# Altium PCB pixracer_pcb_layout_v2.PcbDoc (part 2 of 3)
Units mm, origin at the board's own origin, x right, y up, seen from the top; angles counter-clockwise.
Board outline 44.45 x 44.45 mm, 4 copper layers (Top Layer, Mid Layer 1, Mid Layer 2, Bottom Layer), stack 0.603 mm thick; 139 components, 139 nets, 560 pads, 204 vias.
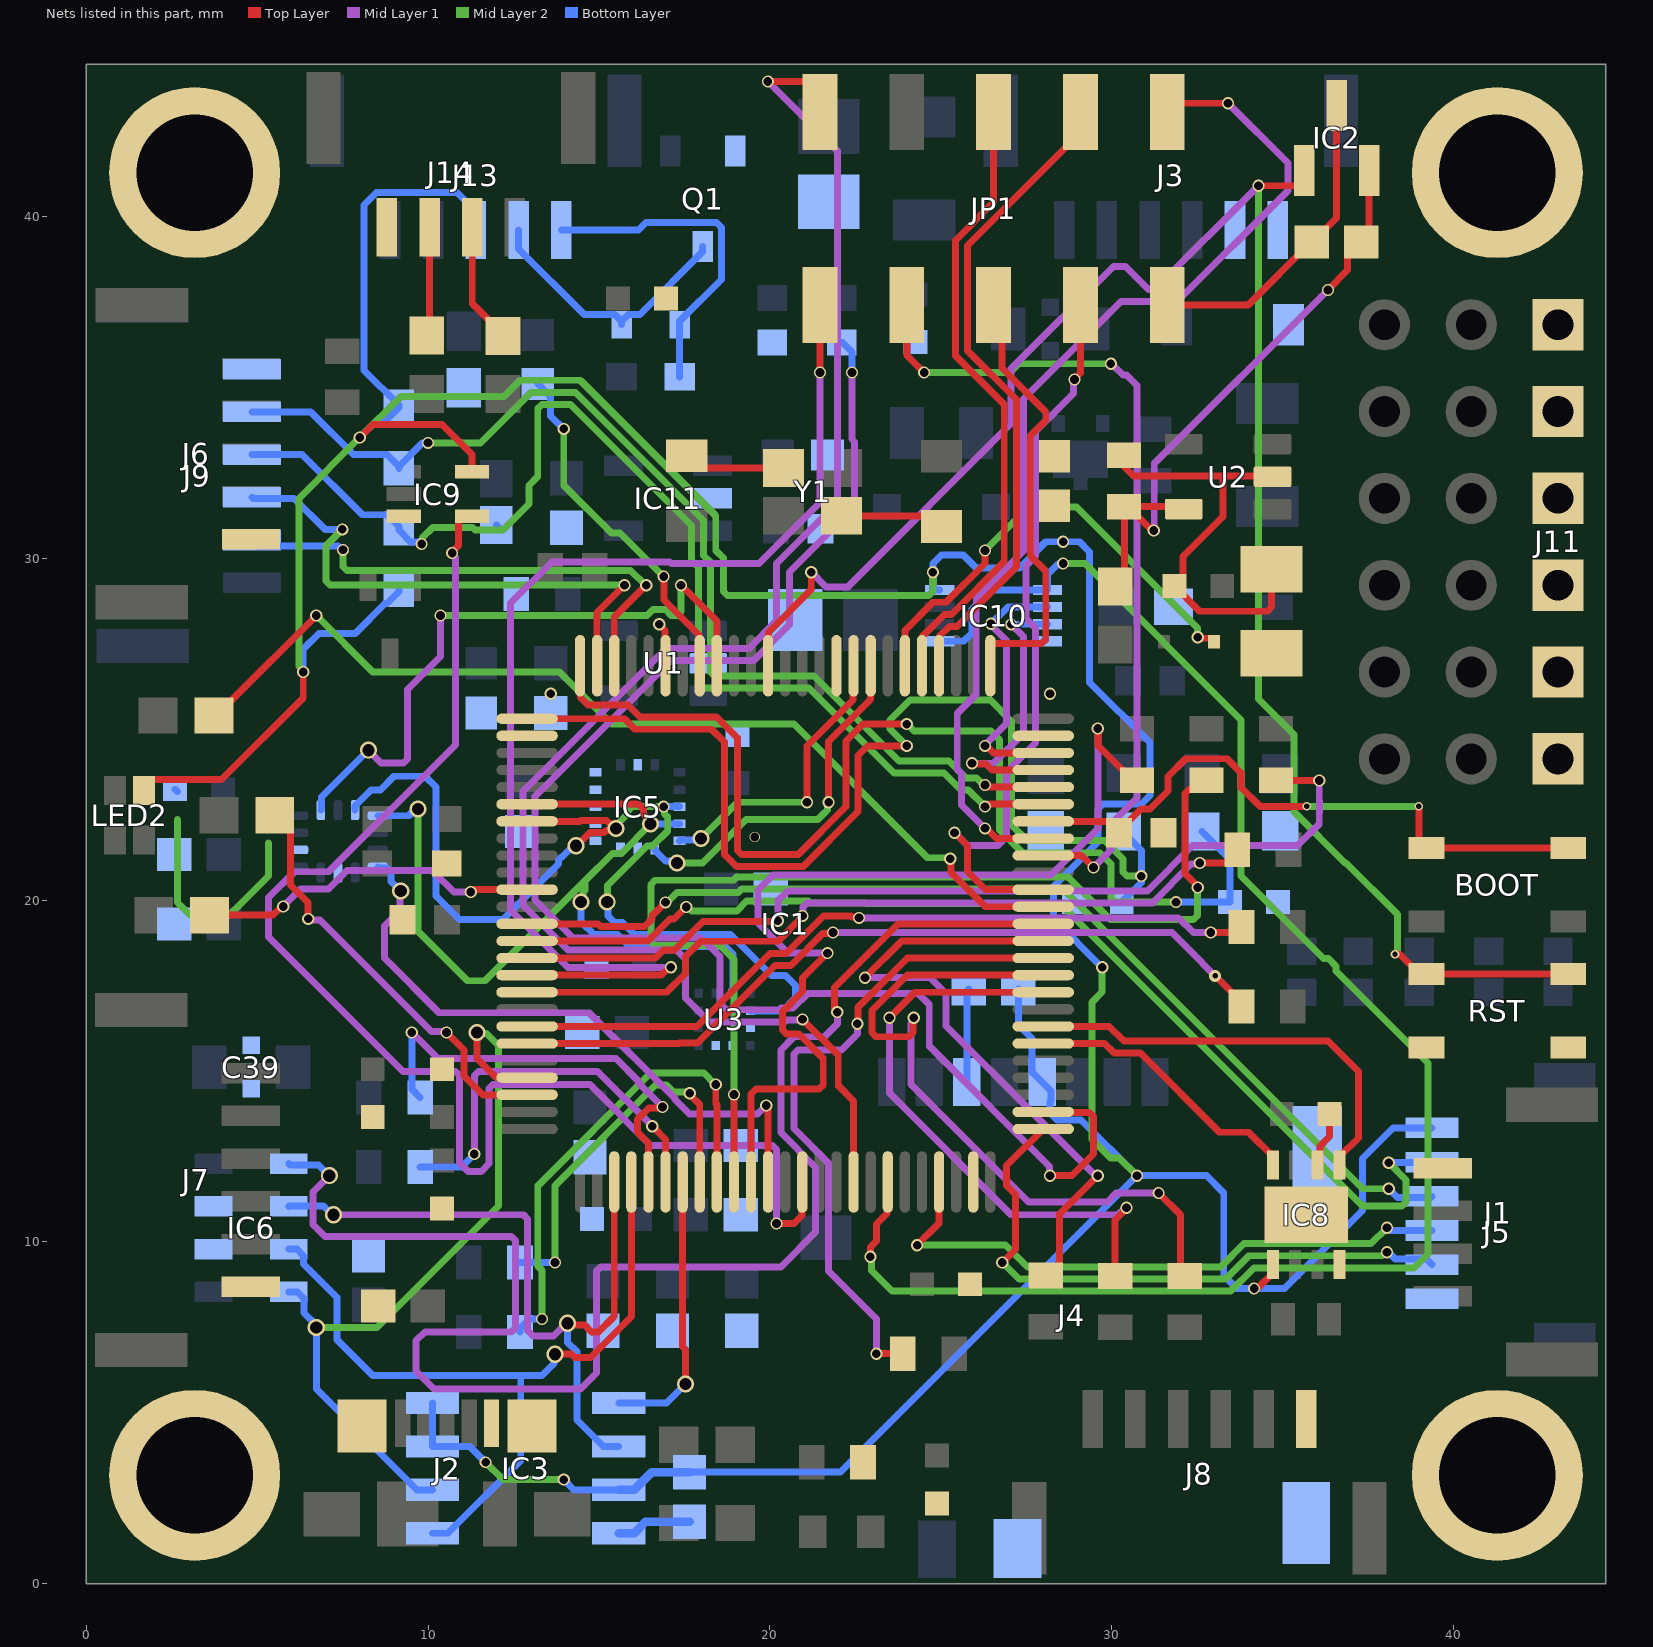
[diagram p4: the nets of this part, all layers, seen from the top]

## Part data (continued)
R10 R11: library part CMP-02407-009732-1, "RES Thick Film, 1MΩ, 5%, 0.33W, 200ppm/°C, 0603", Case Code (Imperial)=0603, Case Code (Metric)=1608, Max Operating Temperature=155°C, Max Power Dissipation=250mW, Min Operating Temperature=-55°C, Package Quantity=1, Resistance=1MR, Temperature Coefficient=200ppm/°C, Tolerance=5%, Voltage Rating=75V, Case/Package=0603, Composition="Thick Film", Contact Plating=Tin, Features="Automotive AEC-Q200", Height=0.022inch, Lead Free="Lead Free", Length=0.063inch, Number of Terminations=2, Packaging="Tape and Reel", Power Rating=250mW, Radiation Hardening=No, Termination=SMD/SMT, Weight=7.1E-05oz, Width=0.8mm
R14 R15 R16 R17 R18: library part CMP-26527-000115-1, "100kΩ ±5% 0.1W 0603 Thick Film Chip Resistor AEC-Q200 compliant", Case Code (Imperial)=0603, Case Code (Metric)=1608, Max Operating Temperature=155°C, Max Power Dissipation=100mW, Min Operating Temperature=-55°C, Resistance=100kR, Resistor Type="Thick Film", Temperature Coefficient=100ppm/°C, Tolerance=5%, Case/Package=0603, Construction=Rectangular, Contact Plating=Tin, Depth=0.8mm, Features="Automotive AEC-Q200", Height=0.022inch, Lead Free="Lead Free", Length=1.55mm, Military Standard=Not, Mount="Surface Mount", Number of Terminations=2, Packaging="Tape and Reel", Power Rating=100mW, Radiation Hardening=No, RoHS Compliant=Yes, Series=RMCF, Width=0.031inch
R19: library part CMP-02407-011907-1, "RES SMD 100 OHM 1% 1/8W 0603", Case/Package=0603, Max Operating Temperature=125°C, Max Power Dissipation=100mW, Min Operating Temperature=-55°C, Resistance=120R, Resistor Type="Thin Film", Temperature Coefficient=25ppm/°C, Tolerance=0.1%, Construction=Rectangular, Contact Plating=Tin, Depth=0.85mm, Features=Anti-Sulfur, Height=0.45mm, Lead Free="Lead Free", Length=1.55mm, Military Standard=Not, Mount="Surface Mount", Number of Terminations=2, Packaging="Tape and Reel", Power Rating=100mW, Radiation Hardening=No, RoHS Compliant=Yes, Series="MCT - Precision", Size Code=0603, Technology="THIN FILM", Width=850um
R32 R33: library part CMP-03211-005433-1, "RES SMD 1.5KΩ 0.1% 1/16W 0603", Manufacturer="TE Connectivity", Package=CPF0603, Power Rating=0.063W, Resistance=1.5KΩ, Temperature="-55°C to +155°C", Temperature Coefficient=25ppm/°C, Temperature Range High=+155°C, Temperature Range Low=-55°C, Tolerance=0.1%, Voltage Rating=50V, Automotive=No, Category=Res, ComponentLink2Description=Datasheet, ComponentLink2URL=https://www.te.com/commerce/DocumentDelivery/DDEController?Action=showdoc&DocId=Data+Sheet%7F1773200%7FM%7Fpdf%7FEnglish%7FENG_DS_1773200_M.pdf%7F3-1676481-2, Composition="Thin Film", Device Class L1="Passive Components", Device Class L2=Resistors, Device Class L3="Chip SMD Resistors", Height=0.55mm, Ipc Land Pattern Name=RESC15580X45, Lead Free=Yes, Manufacturer Part Number=CPF0603B1K5E1, Octopart=https://octopart.com/cpf0603b1k5e1-te+connectivity-9539421, octopart_url=https://octopart.com/cpf0603b1k5e1-te+connectivity-9539421, Packaging="1k Reel", RoHS=TRUE, Series=CPF
R40: library part CMP-08839-007837-1, "Thick Film Chip Resistor, 0603, 1.5kΩ, 1%, 100ppm/°C, 0.1W, 50V", Case Code (Imperial)=0603, Case Code (Metric)=1608, Max Operating Temperature=155°C, Max Power Dissipation=100mW, Min Operating Temperature=-55°C, Package Quantity=5000, Resistance=1.5kR, Resistor Type="Thick Film", Temperature Coefficient=100ppm/°C, Tolerance=1%, Voltage Rating (DC)=50V, Case/Package=0603, Depth=0.8mm, Features="Automotive AEC-Q200", Height=0.022inch, Lead Free="Lead Free", Length=0.063inch, Military Standard=Not, Mount="Surface Mount", Number of Terminations=2, Packaging="Tape and Reel", Power Rating=100mW, RoHS Compliant=Yes, Width=0.031inch
R41: library part CMP-2000-03274-2, "RES Thick Film, 36Ω, 5%, 0.1W, 200ppm/°C, 0603", Case Code (Imperial)=0603, Case Code (Metric)=1608, Max Operating Temperature=155°C, Max Power Dissipation=100mW, Min Operating Temperature=-55°C, Package Quantity=1, Resistance=36R, Temperature Coefficient=200ppm/°C, Tolerance=5%, Voltage Rating=75V, Case/Package=0603, Composition="Thick Film", Contact Plating=Tin, Features="Automotive AEC-Q200", Height=0.02inch, Lead Free="Lead Free", Length=0.061inch, Number of Terminations=2, Packaging="Tape and Reel", Power Rating=100mW, Radiation Hardening=No, Voltage Rating (DC)=75V, Weight=7.1E-05oz, Width=0.033inch
R43: library part CMP-2000-03374-2, "RES Thick Film, 470Ω, 5%, 0.1W, 200ppm/°C, 0603", Case Code (Imperial)=0603, Case Code (Metric)=1608, Max Operating Temperature=155°C, Max Power Dissipation=100mW, Min Operating Temperature=-55°C, Package Quantity=1, Resistance=470R, Temperature Coefficient=200ppm/°C, Tolerance=5%, Voltage Rating=75V, Case/Package=0603, Composition="Thick Film", Contact Plating=Tin, Depth=0.85mm, Features="Automotive AEC-Q200", Height=0.45mm, Length=1.55mm, Military Standard=Not, Mount="Surface Mount", Number of Terminations=2, Packaging="Tape and Reel", Power Rating=100mW, Radiation Hardening=No, Termination=SMD/SMT, Weight=7.1E-05oz, Width=0.033inch, Working Voltage=75V
R47: library part CMP-2000-04347-2, "RES SMD 10 OHM 0.1% 1/10W 0603", Manufacturer=Yageo, Package=RT0603, Power Rating=0.1W, Resistance=10Ω, Temperature="-55°C to +155°C", Temperature Coefficient="25 ppm/°C", Temperature Range High=+155°C, Temperature Range Low=-55°C, Tolerance=0.001, Voltage Rating=75V, Automotive=No, Category=Res, ComponentLink2Description=Datasheet, ComponentLink2URL=http://www.yageo.com/documents/recent/PYu-RT_1-to-0.01_RoHS_L_9.pdf, Composition="Thin Film", Device Class L1="Passive Components", Device Class L2=Resistors, Device Class L3="Chip SMD Resistors", Digikey Description="RES SMD 10 OHM 0.1% 1/10W 0603", Footprint Url=http://www.yageo.com/exep/pages/download/literatures/PYu-R_Mount_10.pdf, Height=0.55mm, Ipc Land Pattern Name=RESC16080X45, Lead Free=Yes, Manufacturer Part Number=RT0603BRD0710RL, Mouser Description="Thin Film Resistors - SMD 1/10W 10 ohm .1% 25ppm", Octopart=https://octopart.com/rt0603brd0710rl-yageo-1216748, RoHS=TRUE, Series=RT
R50 R51 R52: library part CMP-2000-03825-2, "RES Thick Film, 100Ω, 1%, 0.1W, 100ppm/°C, 0603", Case Code (Imperial)=0603, Case Code (Metric)=1608, Max Operating Temperature=155°C, Max Power Dissipation=100mW, Min Operating Temperature=-55°C, Package Quantity=10000, Resistance=100R, Temperature Coefficient=100ppm/°C, Tolerance=1%, Voltage Rating=75V, Case/Package=0603, Composition="Thick Film", Contact Plating=Tin, Depth=0.85mm, Features="Automotive AEC-Q200", Height=0.02inch, Lead Free="Lead Free", Length=1.55mm, Military Standard=Not, Number of Terminations=2, Packaging="Tape and Reel", Power Rating=100mW, Radiation Hardening=No, Termination=SMD/SMT, Voltage Rating (DC)=75V, Weight=7.1E-05oz, Width=0.033inch
U1 U2: library part CMP-04917-000018-1, "IC REG LINEAR 3.3V 250MA SOT23-5", Dropout Voltage=120mV, Manufacturer="Texas Instruments", Max Junction Temp=+125°C, Max Supply Voltage=5.5V, Min Supply Voltage=2.2V, Nominal Supply Current=12-250uA, Output Current=250mA, Output Voltage=3.3V, Package=DBV0005A, Temperature="-40°C to +125°C", Temperature Range Low=-40°C, Automotive=Yes, Automotive Grade="Grade 1", Category=IC, ComponentLink2Description=Datasheet, ComponentLink2URL=http://www.ti.com/lit/ds/symlink/lp5907-q1.pdf, Device Class L1="Integrated Circuits (ICs)", Device Class L2="Power Management ICs", Device Class L3="Voltage Regulators - Linear", Digikey Description="IC REG LINEAR 3.3V 250MA SOT23-5", Height=1.45mm, Lead Free=Yes, Manufacturer Part Number=LP5907QMFX-3.3Q1, Mouser Description="Automotive 250-mA ultra-low-noise low-IQ low-dropout (LDO) linear regulator 5-SOT-23 -40 to 125", Number Of Outputs=1, Octopart=https://octopart.com/lp5907qmfx-3.3q1-texas+instruments-50417899, Output Type=Fixed, RoHS=TRUE, Standoff Height=0mm, Temperature Range High=+125°C
U3: library part CMP-2000-07463-2, "SENSOR MR I2C/SPI 12LGA", Manufacturer=STMicroelectronics, Max Supply Voltage=3.6V, Min Supply Voltage=1.71V, Operating Supply Current=40-270uA, Package=VFLGA-12-8365767, Temperature="-40°C to +85°C", Temperature Range High=+85°C, Temperature Range Low=-40°C, Automotive=No, Category=IC, ComponentLink2Description=Datasheet, ComponentLink2URL=https://www.st.com/resource/en/datasheet/lis3mdl.pdf, Device Class L1=Sensors, Device Class L2="Magnetic Sensors", Device Class L3=unset, Digikey Description="SENSOR MR I2C/SPI 12LGA", Footprint Url=https://www.st.com/content/ccc/resource/technical/document/technical_note/73/17/9c/16/dd/96/4a/01/CD00134799.pdf/files/CD00134799.pdf/jcr:content/translations/en.CD00134799.pdf, Height=1mm, Lead Free=Yes, Manufacturer Part Number=LIS3MDLTR, Mouser Description="Board Mount Hall Effect / Magnetic Sensors Ultra Lo-Pwr Hi Perf 3-Axis 1.9-3.6V", Octopart=https://octopart.com/lis3mdltr-stmicroelectronics-29403125, RoHS=TRUE, Sensing Method=Magnetic, Sensor Output=I2C,SPI
Y1: "Crystal or Oscillator", Manufacturer_Name="Epson Timing", Manufacturer_Part_Number="FA-20H 24.0000MF20X-K3", Mouser Part Number=732-FA20H-24F20X-K3, Datasheet Link=https://support.epson.biz/td/api/doc_check.php?dl=brief_FA-20H&lang=en, Height=0.55mm, Mouser Price/Stock=https://www.mouser.co.uk/ProductDetail/Epson-Timing/FA-20H-240000MF20X-K3?qs=CANAagUtPAp2w31393daZQ%3D%3D

## Free pads (board coordinates)
  round 5 hole 3.4: 1(3.175,41.275) 2(3.175,3.175) 3(41.275,41.275) 4(41.275,3.175)
  rrect50% 0.59x0.25 smd far side mask+0.05: 1(8.531,22.467) 2(8.531,21.967) 3(8.531,21.467) 4(8.531,20.967) 8(6.201,20.967) 9(6.201,21.467) 10(6.201,21.967) 11(6.201,22.467)
  rrect50% 0.25x0.59 smd far side mask+0.05: 5(7.866,20.802) 6(7.366,20.802) 7(6.866,20.802) 12(6.866,22.632) 13(7.366,22.632) 14(7.866,22.632)

## Via types
v1: diameter 0.356, hole 0.254, Top Layer to Bottom Layer, tented both sides, 160 vias
v2: diameter 0.5, hole 0.356, Top Layer to Bottom Layer, tented both sides, 26 vias
v3: diameter 0.254, hole 0.16, Top Layer to Bottom Layer, tented both sides, 11 vias
v4: diameter 0.356, hole 0.16, Top Layer to Bottom Layer, tented both sides, 2 vias
v5: diameter 0.3, hole 0.254, Top Layer to Bottom Layer, tented both sides, 2 vias
v6: diameter 0.356, hole 0.356, Top Layer to Bottom Layer, tented both sides, 1 vias
v7: diameter 0.35, hole 0.25, Top Layer to Bottom Layer, tented both sides, 1 vias
v8: diameter 0.35, hole 0.254, Top Layer to Bottom Layer, tented both sides, 1 vias

## Nets (pads, with @x,y where several pads share a name; then routed paths per layer and width w, separated by ;. In a path a pad name is that pad's centre, name@x,y a point inside that pad or via, vN(x,y) a via of type N, cw(c..) or ccw(c..) an arc to the next point about the centre after c; other vN are vias at no path point)
8266_CTS: IC1.41 JP1.10 | length 34.7
  Top Layer w0.203: IC1.41@12.897,17.804 16.832,17.804 17.062,18.034 v1(17.103,18.034) ; v1(21.463,35.433) JP1.10@21.463,37.403
  Mid Layer 1 w0.203: v1(17.103,18.034) 14.094,18.034 12.418,19.71 12.418,28.683 13.629,29.893 17.069,29.893 17.116,29.846 19.678,29.846 21.463,31.631 v1(21.463,35.433)
8266_GPIO0: IC1.1 JP1.6 | length 13.1
  Top Layer w0.203: IC1.1@26.447,26.854 26.447,27.458 26.492,27.503 27.948,27.503 28.067,27.621 28.067,29.621 27.613,30.075 27.613,33.568 28.067,34.022 28.067,34.281 26.783,35.566 26.783,37.163 JP1.6@26.543,37.403
8266_GPIO2: IC1.90 JP1.4 | length 22.2
  Top Layer w0.203: v1(25.4,21.971) 25.778,21.593 25.778,20.831 26.305,20.304 IC1.90@27.997,20.304 ; v1(28.911,35.224) 28.911,35.247 29.083,35.42 JP1.4@29.083,37.403
  Mid Layer 1 w0.203: v1(25.4,21.971) 25.781,21.59 26.67,21.59 26.924,21.844 26.924,23.749 27.764,24.589 27.764,27.961 27.484,28.242 27.484,29.778 27.764,30.059 27.764,33.706 28.881,34.823 28.881,35.195 v1(28.911,35.224)
8266_PD: IC1.4 JP1.3 | length 19.2
  Top Layer w0.203: IC1.4@24.947,26.854 24.966,26.873 24.966,27.718 25.253,28.006 25.466,28.006 27.206,29.746 27.206,34.643 25.782,36.067 25.782,36.702 25.781,39.151 29.083,42.453 JP1.3@29.083,43.053
8266_RST: IC1.5 JP1.5 | length 18.4
  Top Layer w0.203: IC1.5@24.447,26.854 24.466,26.873 24.466,27.717 25.107,28.358 25.31,28.358 26.853,29.901 26.853,34.497 25.429,35.921 25.429,36.039 25.428,39.298 26.543,40.412 JP1.5@26.543,43.053
8266_RTS: IC1.67 JP1.9 | length 48
  Top Layer w0.203: v1(19.939,43.942) 21.054,43.942 21.463,43.533 JP1.9@21.463,43.053 ; v1(20.955,16.51) 21.999,15.466 21.999,14.577 22.447,14.129 IC1.67@22.447,11.754
  Mid Layer 1 w0.203: v1(19.939,43.942) 21.971,41.91 21.971,31.623 20.193,29.845 20.193,28.173 19.383,27.363 16.958,27.363 12.771,23.176 12.771,19.859 14.088,18.542 17.272,18.542 17.532,18.282 17.532,17.139 18.233,16.438 20.42,16.438 20.473,16.491 20.936,16.491 v1(20.955,16.51)
20608_CS: IC1.9 IC5.5 | length 8.8
  Top Layer w0.203: v1(21.082,22.86) 21.082,24.502 22.428,25.849 22.428,26.835 IC1.9@22.447,26.854
  Mid Layer 2 w0.203: v2(17.988,21.798) 19.051,22.861 v1(21.082,22.86)
  Bottom Layer w0.203: IC5.5@17.354,21.733 17.377,21.756 17.946,21.756 v2(17.988,21.798)
20608_DRDY: IC1.8 IC5.6 | length 10.6
  Top Layer w0.203: v1(21.717,22.86) 21.717,24.638 22.947,25.868 IC1.8@22.947,26.854
  Mid Layer 2 w0.203: v2(17.285,21.082) 18.034,21.082 19.304,22.352 21.399,22.352 21.543,22.496 21.688,22.641 21.688,22.831 v1(21.717,22.86)
  Bottom Layer w0.203: IC5.6@16.629,21.508 16.653,21.485 16.653,21.435 16.948,21.139 17.228,21.139 v2(17.285,21.082)
\R\S\T\: IC1.14 IC2.1 RST.1 RST.2 | length 53.9
  Top Layer w0.203: IC1.14@19.947,26.854 19.957,26.864 19.957,27.831 21.209,29.083 v1(21.209,29.591) ; v1(34.29,40.894) 35.428,40.894 35.626,41.092 IC2.1@35.626,41.341 ; v3(38.283,18.415) 38.293,18.405 38.434,18.405 39,17.839 RST.1@39.2,17.839 RST.2@43.223,17.839
  Mid Layer 1 w0.203: v1(21.209,29.591) 21.64,29.16 22.277,29.16 27.056,33.939 27.056,35.54 30.047,38.531 30.405,38.531 31.077,37.859 31.255,37.859 v1(34.29,40.894)
  Mid Layer 2 w0.203: v1(34.29,40.894) 34.29,25.875 35.323,24.842 35.323,22.584 36.822,21.085 36.855,21.085 38.354,19.585 38.354,18.5 38.283,18.429 v3(38.283,18.415)
ALARM: IC1.77 R48.1 | length 46.4
  Top Layer w0.203: IC1.77@27.997,13.804 28.016,13.785 29.345,13.785 29.464,13.667 29.464,12.573 28.829,11.938 v1(28.194,11.938)
  Mid Layer 1 w0.203: v1(22.403,35.433) 22.403,33.48 22.479,33.404 22.479,31.496 20.574,29.591 20.574,28.055 19.527,27.008 17.102,27.008 13.124,23.03 13.124,20.005 14.234,18.895 17.988,18.895 18.536,18.347 18.536,16.982 18.726,16.791 20.274,16.791 20.326,16.844 20.681,16.844 21.11,17.272 24.334,17.272 24.66,16.946 24.66,15.726 28.183,12.203 28.183,11.949 v1(28.194,11.938)
  Bottom Layer w0.203: R48.1@22.098,36.306 22.126,36.306 22.403,36.029 v1(22.403,35.433)
BARO_CS: IC1.88 IC6.5 | length 46.8
  Top Layer w0.203: v1(21.971,16.722) 21.942,16.752 21.942,16.793 21.889,16.846 21.889,17.444 23.749,19.304 IC1.88@27.997,19.304
  Mid Layer 1 w0.203: v2(7.112,11.938) 6.632,11.458 6.632,10.513 6.985,10.16 12.434,10.16 12.553,10.041 12.553,7.485 12.434,7.366 9.906,7.366 9.652,7.112 9.652,6.223 10.18,5.695 14.458,5.695 14.933,6.17 14.933,9.152 15.052,9.271 20.32,9.271 21.336,10.287 21.336,12.183 20.32,13.199 20.32,15.621 20.701,16.002 21.59,16.002 21.971,16.383 v1(21.971,16.722)
  Bottom Layer w0.203: IC6.5@5.926,12.289 5.959,12.256 6.794,12.256 v2(7.112,11.938)
BATT_CURRENT_SENS: C33.1 IC1.26 R8.2 | length 32.4
  Top Layer w0.203: IC1.26@12.897,25.304 15.749,25.304 16.056,24.997 18.296,24.997 18.669,24.624 18.669,21.337 19.023,20.983 20.974,20.983 22.578,22.587 22.578,24.229 22.86,24.511 v1(24.003,24.511)
  Mid Layer 2 w0.203: v1(24.003,24.511) 23.513,25.001 23.513,25.263 24.1,25.85 26.446,25.85 27.071,25.225 27.071,24.835 27.071,22.196 27.53,21.737 29.788,21.737 30.325,21.201 30.325,20.82 30.444,20.701 v1(30.862,20.701)
  Bottom Layer w0.203: C33.1@30.291,19.939 30.862,20.51 30.862,21.451 30.353,21.96 R8.2@30.353,22.009
BATT_VOLT_SENS: C34.1 IC1.25 R9.2 | length 33.2
  Top Layer w0.203: IC1.25@14.447,26.854 14.466,26.835 14.466,25.92 14.684,25.702 15.849,25.702 16.202,25.349 18.442,25.349 19.05,24.742 19.05,21.455 19.169,21.336 20.828,21.336 22.225,22.733 22.225,24.647 22.724,25.146 v1(24.003,25.146)
  Mid Layer 2 w0.203: v1(24.003,25.146) 24.209,24.94 26.467,24.94 26.718,24.689 26.718,22.05 27.384,21.384 29.642,21.384 29.972,21.054 29.972,20.058 30.091,19.939 v1(31.877,19.939)
  Bottom Layer w0.203: v1(31.877,19.939) C34.1@33.463,19.939 33.463,21.185 R9.2@32.639,22.009
BOOT0: BOOT.1 BOOT.2 IC1.94 R2.1 | length 18.6
  Top Layer w0.203: IC1.94@27.997,22.304 29.93,22.304 R2.1@30.21,22.024 ; R2.1@30.21,21.971 R2.1@30.21,22.024 ; v3(35.701,22.741) 35.694,22.733 34.341,22.733 33.782,23.292 33.782,23.722 33.37,24.134 32.162,24.134 31.642,23.614 31.642,23.184 31.122,22.664 30.851,22.664 R2.1@30.21,22.024 ; v3(38.981,22.741) 38.981,21.741 BOOT.1@39.2,21.522 BOOT.2@43.35,21.522
  Mid Layer 2 w0.203: v3(35.701,22.741) v3(38.981,22.741)
BUZZER+: D5.1 J13.5 R47.2 | length 9.7
  Bottom Layer w0.203: J13.5@13.898,39.599 16.16,39.599 16.375,39.815 18.438,39.815 18.586,39.667 18.586,38.156 17.36,36.93 D5.1@17.36,36.83 R47.2@17.36,35.306
BUZZER-: D5.2 J13.4 Q1.3 | length 7.9
  Bottom Layer w0.203: J13.4@12.648,39.599 12.648,39.049 14.569,37.129 15.462,37.129 D5.2@15.66,36.93 ; D5.2@15.66,36.83 D5.2@15.66,36.93 ; Q1.3@18.034,39.113 18.034,38.963 16.2,37.129 15.858,37.129 D5.2@15.66,36.93
CAN1_RX: IC1.81 IC8.4 | length 8.3
  Top Layer w0.203: IC1.81@27.997,15.804 29.789,15.804 30.071,15.522 30.833,15.522 33.147,13.208 33.999,13.208 34.712,12.495 IC8.4@34.712,12.245
CAN1_TX: IC1.82 IC8.1 | length 12.7
  Top Layer w0.203: IC1.82@27.997,16.304 29.924,16.304 30.353,15.875 36.322,15.875 37.211,14.986 37.211,13.044 36.662,12.495 IC8.1@36.662,12.245
FMU_CH1: IC1.45 R34.2 | length 23.2
  Top Layer w0.203: IC1.45@12.897,15.804 17.337,15.804 17.352,15.819 17.883,15.819 20.154,18.09 20.614,18.09 21.545,19.021 21.815,19.021 v1(21.844,19.05) ; v4(33.02,17.78) 33.03,17.78 33.794,17.016 R34.2@33.794,16.891
  Mid Layer 1 w0.203: v1(21.844,19.05) 31.759,19.05 32.112,18.697 32.267,18.542 32.267,18.533 v4(33.02,17.78)
FMU_CH2: IC1.44 R35.2 | length 22.5
  Top Layer w0.203: IC1.44@12.897,16.304 17.869,16.304 20.008,18.443 20.468,18.443 21.562,19.538 22.372,19.538 22.401,19.509 22.577,19.509 v1(22.606,19.479) ; v1(32.893,19.05) 33.667,19.05 R35.2@33.794,19.177
  Mid Layer 1 w0.203: v1(22.606,19.479) 31.956,19.479 32.385,19.05 v1(32.893,19.05)
FMU_CH3: IC1.42 R36.2 | length 22.9
  Top Layer w0.203: IC1.42@12.897,17.304 16.98,17.304 17.532,17.856 17.532,18.347 17.981,18.796 20.233,18.796 20.955,19.518 v1(20.955,19.538) ; v1(32.571,21.082) 33.413,21.082 R36.2@33.667,21.336
  Mid Layer 1 w0.203: v1(20.955,19.538) 20.969,19.552 20.969,19.8 21.088,19.919 31.186,19.919 32.32,21.053 32.542,21.053 v1(32.571,21.082)
FMU_CH4: IC1.40 R37.2 | length 27.7
  Top Layer w0.203: IC1.40@12.897,18.304 16.653,18.304 16.891,18.542 17.207,18.542 18.044,19.379 20.209,19.379 v1(20.227,19.397) ; R37.2@34.798,23.507 34.81,23.495 v1(36.068,23.495)
  Mid Layer 1 w0.203: v1(20.227,19.397) 20.235,19.406 20.235,19.981 20.526,20.272 31.04,20.272 32.358,21.59 35.433,21.59 36.068,22.225 36.068,22.572 36.08,22.584 36.08,22.897 36.068,22.909 v1(36.068,23.495)
FMU_CH5: IC1.60 R38.2 | length 32.2
  Top Layer w0.203: IC1.60@18.947,11.754 v1(18.947,14.313) ; v1(32.512,20.368) 32.512,20.41 32.142,20.78 32.142,23.115 32.261,23.233 32.367,23.233 32.766,23.632 R38.2@32.766,23.761
  Mid Layer 2 w0.203: v1(18.947,14.313) 18.947,18.264 18.542,18.669 16.636,18.669 16.517,18.788 16.517,20.462 16.636,20.58 18.928,20.58 19.021,20.673 28.712,20.673 29.954,19.431 32.393,19.431 32.512,19.55 v1(32.512,20.368)
FMU_CH6: IC1.61 R39.2 | length 28.9
  Top Layer w0.203: IC1.61@19.447,11.754 19.447,14.331 19.591,14.476 21.441,14.476 21.56,14.594 21.56,15.37 20.849,16.081 20.483,16.081 20.364,16.199 20.364,16.734 20.955,17.324 20.955,17.719 v1(21.684,18.448) ; v1(29.591,25.019) 29.591,24.525 30.609,23.507 R39.2@30.734,23.507
  Mid Layer 1 w0.203: v1(21.684,18.448) 20.532,18.448 19.657,19.323 19.657,20.292 20.096,20.731 28.224,20.731 29.591,22.098 v1(29.591,25.019)
FMU_I2C1_SCL: IC1.95 J9.4 R32.2 | length 35.1
  Top Layer w0.203: v1(26.289,22.733) 26.33,22.733 26.401,22.804 IC1.95@27.997,22.804
  Mid Layer 2 w0.203: v1(9.813,30.416) 9.842,30.445 9.842,30.607 10.138,30.902 11.294,30.902 11.376,30.821 12.189,30.821 12.954,31.585 12.954,32.131 13.208,32.385 13.208,34.378 13.327,34.497 14.162,34.497 17.709,30.95 17.709,29.934 17.907,29.736 17.907,26.326 18.026,26.207 21.138,26.207 23.626,23.718 25.086,23.718 25.584,23.221 25.801,23.221 v1(26.289,22.733)
  Bottom Layer w0.203: J9.4@4.851,33.032 6.317,33.032 8.078,31.271 8.795,31.271 9.144,30.922 R32.2@9.144,30.872 ; R32.2@9.144,30.822 9.493,30.474 9.714,30.474 9.771,30.416 v1(9.813,30.416)
FMU_I2C1_SDA: IC1.96 J9.5 R33.2 | length 32
  Top Layer w0.203: v1(26.289,23.368) 26.33,23.368 26.394,23.304 IC1.96@27.997,23.304
  Mid Layer 2 w0.203: v1(9.997,33.373) 11.529,33.373 13.006,34.85 14.308,34.85 18.062,31.096 18.062,30.08 18.26,29.882 18.26,26.679 18.379,26.56 21.284,26.56 23.772,24.071 25.232,24.071 25.73,23.574 26.042,23.574 26.248,23.368 v1(26.289,23.368)
  Bottom Layer w0.203: J9.5@4.851,34.282 6.57,34.282 7.825,33.026 8.795,33.026 R33.2@9.144,32.678 ; R33.2@9.144,32.628 R33.2@9.144,32.678 ; v1(9.997,33.373) 9.988,33.364 9.83,33.364 R33.2@9.144,32.678
FMU_LED_BLUE: IC1.89 R50.2 | length 29.2
  Top Layer w0.203: R50.2@3.736,25.4 4.166,25.83 4.24,25.83 v1(6.731,28.321) ; v1(25.273,21.209) 25.302,21.18 25.302,20.808 26.306,19.804 IC1.89@27.997,19.804
  Mid Layer 2 w0.203: v1(6.731,28.321) 8.382,26.67 13.843,26.67 15.367,25.146 20.701,25.146 24.609,21.238 25.244,21.238 v1(25.273,21.209)
FMU_LED_GREEN: IC1.36 R51.2 | length 10.1
  Top Layer w0.203: R51.2@3.609,19.558 5.466,19.558 5.722,19.814 v1(5.763,19.814) ; v1(11.249,20.233) 11.291,20.233 11.361,20.304 IC1.36@12.897,20.304
  Mid Layer 1 w0.203: v1(5.763,19.814) 6.269,20.32 7.084,20.32 7.632,20.868 10.121,20.868 10.755,20.233 v1(11.249,20.233)
FMU_LED_RED: IC1.48 R52.2 | length 12.4
  Top Layer w0.203: R52.2@5.514,22.479 5.551,22.479 5.98,22.049 5.98,20.436 6.484,19.932 6.484,19.46 v1(6.495,19.449) ; v1(10.541,16.129) 11.049,15.621 11.049,14.859 11.604,14.304 IC1.48@12.897,14.304
  Mid Layer 1 w0.203: v1(6.495,19.449) 6.524,19.42 6.841,19.42 10.103,16.158 10.512,16.158 v1(10.541,16.129)
FMU_RC_INPUT: IC1.64 IC9.4 | length 41.9
  Top Layer w0.203: v1(10.705,30.15) 10.705,30.191 10.888,30.375 10.888,31.129 10.987,31.227 IC9.4@11.287,31.227 ; v1(20.193,10.541) 20.701,10.541 20.937,10.777 20.937,11.744 IC1.64@20.947,11.754
  Mid Layer 1 w0.203: v1(10.705,30.15) 10.705,30.108 10.797,30.016 10.797,24.532 7.093,20.828 6.088,20.828 5.334,20.074 5.334,18.923 9.271,14.986 10.805,14.986 10.924,14.867 10.924,12.317 11.176,12.065 11.557,12.065 11.782,12.29 11.782,14.486 11.901,14.605 14.732,14.605 16.51,12.827 20.074,12.827 20.193,12.708 v1(20.193,10.541)
FMU_SWCLK: IC1.76 J1.5 | length 17.9
  Top Layer w0.203: v1(26.797,9.398) 27.178,9.779 27.178,11.393 26.924,11.647 26.924,12.231 IC1.76@27.997,13.304
  Mid Layer 2 w0.203: v1(26.797,9.398) 27.283,8.912 33.333,8.912 34.016,9.596 37.903,9.596 38.008,9.7 v1(38.049,9.7)
  Bottom Layer w0.203: v1(38.049,9.7) 38.09,9.7 38.291,9.5 39.205,9.5 J1.5@39.37,9.335
FMU_SWDIO: IC1.72 J1.4 | length 18
  Top Layer w0.203: v1(24.305,9.906) 24.947,10.548 IC1.72@24.947,11.754
  Mid Layer 2 w0.203: v1(24.305,9.906) 26.896,9.906 27.537,9.265 33.187,9.265 33.87,9.949 37.584,9.949 v1(38.049,10.414)
  Bottom Layer w0.203: v1(38.049,10.414) 38.09,10.414 38.169,10.335 J1.4@39.37,10.335
FMU_UART7_RX: IC1.38 J1.3 | length 30.8
  Top Layer w0.203: IC1.38@12.897,19.304 14.97,19.304 15.051,19.224 16.329,19.224 16.558,19.453 16.558,19.544 v1(16.947,19.932)
  Mid Layer 2 w0.203: v1(16.947,19.932) 16.988,19.932 17.284,20.228 19.075,20.228 19.167,20.32 28.566,20.32 37.329,11.557 v1(38.1,11.557)
  Bottom Layer w0.203: v1(38.1,11.557) 38.354,11.303 39.338,11.303 J1.3@39.37,11.335
FMU_UART7_TX: IC1.39 J1.2 | length 32.7
  Top Layer w0.203: IC1.39@12.897,18.804 16.44,18.804 17.079,19.444 17.196,19.444 v1(17.551,19.798)
  Mid Layer 2 w0.203: v1(17.551,19.798) 17.592,19.798 17.705,19.685 19.031,19.685 19.313,19.967 21.133,19.967 21.191,19.909 22.784,19.909 22.793,19.9 28.487,19.9 37.338,11.049 38.489,11.049 38.608,11.168 38.608,11.811 v1(38.1,12.319)
  Bottom Layer w0.203: v1(38.1,12.319) 38.108,12.327 39.362,12.327 J1.2@39.37,12.335
FMU_USART1_RX: IC1.93 JP1.1 | length 31
  Top Layer w0.203: v1(26.289,22.098) 26.33,22.098 26.624,21.804 IC1.93@27.997,21.804 ; JP1.1@31.623,43.053 31.877,43.307 v1(33.401,43.307)
  Mid Layer 1 w0.203: v1(26.289,22.098) 25.606,22.781 25.606,23.698 25.479,23.825 25.479,25.451 26.035,26.007 26.035,28.829 27.411,30.205 27.411,34.65 30.265,37.504 31.907,37.504 35.151,40.748 35.151,41.557 v1(33.401,43.307)
FMU_USART1_TX: IC1.92 JP1.8 | length 25
  Top Layer w0.203: JP1.8@24.003,37.403 24.003,35.933 24.503,35.433 v1(24.511,35.433) ; IC1.92@27.997,21.304 29.115,21.304 v1(29.464,20.955)
  Mid Layer 1 w0.203: v1(29.464,20.955) 29.972,21.463 29.972,22.225 30.734,22.987 30.734,35.052 30.431,35.355 30.322,35.355 29.99,35.687 v1(29.972,35.687)
  Mid Layer 2 w0.203: v1(24.511,35.433) 27.021,35.433 27.275,35.687 v1(29.972,35.687)
FMU_USART2_CTS: IC1.84 R30.1 | length 17.6
  Top Layer w0.203: v1(23.495,16.558) 24.241,17.304 IC1.84@27.997,17.304 ; R30.1@30.099,9.005 30.099,10.648 30.43,10.98 v1(30.43,10.999)
  Mid Layer 1 w0.203: v1(23.495,16.558) 23.494,14.352 27.051,10.795 30.185,10.795 30.389,10.999 v1(30.43,10.999)
FMU_USART2_RTS: IC1.85 R31.1 | length 21.3
  Top Layer w0.203: v1(24.209,16.558) 24.179,16.529 24.179,16.121 24.06,16.002 23.106,16.002 22.987,16.121 22.987,16.764 24.027,17.804 IC1.85@27.997,17.804 ; v1(31.369,11.43) 32.004,10.795 32.004,9.132 R31.1@32.131,9.005
  Mid Layer 1 w0.203: v1(24.209,16.558) 24.179,16.529 24.179,16.432 24.13,16.383 24.13,14.605 27.562,11.174 29.87,11.174 30.127,11.43 v1(31.369,11.43)
FMU_USART2_RX: IC1.87 R29.1 | length 19.1
  Top Layer w0.203: v1(22.783,17.73) 23.856,18.804 IC1.87@27.997,18.804 ; R29.1@28.067,9.017 28.192,9.017 28.466,9.29 28.466,10.813 v1(29.591,11.938)
  Mid Layer 1 w0.203: v1(22.783,17.73) 24.688,17.73 25.146,17.272 25.146,16.311 29.442,12.014 29.473,12.014 29.55,11.938 v1(29.591,11.938)
FMU_USART2_TX: IC1.86 R28.1 | length 19.4
  Top Layer w0.203: v1(22.558,16.383) 22.58,16.406 22.58,16.865 24.019,18.304 IC1.86@27.997,18.304 ; v1(23.114,6.731) R28.1@23.888,6.731
  Mid Layer 1 w0.203: v1(22.558,16.383) 22.558,16.081 22.098,15.621 20.82,15.621 20.701,15.502 20.701,13.317 21.717,12.301 21.717,9.144 23.114,7.747 v1(23.114,6.731)
FMU_USART3_CTS: IC1.58 R26.1 | length 11.2
  Top Layer w0.203: v1(17.653,14.351) 17.653,14.31 17.947,14.016 IC1.58@17.947,11.754
  Mid Layer 2 w0.203: v1(13.716,9.398) 13.716,11.644 16.657,14.585 16.971,14.585 17.176,14.38 17.624,14.38 v1(17.653,14.351)
  Bottom Layer w0.203: R26.1@12.688,9.398 v1(13.716,9.398)
FMU_USART3_RTS: IC1.59 R27.1 | length 14.4
  Top Layer w0.203: v1(18.415,14.605) 18.415,14.053 18.447,14.021 IC1.59@18.447,11.754
  Mid Layer 2 w0.203: v1(13.335,7.747) 13.335,9.172 13.208,9.299 13.208,11.635 16.511,14.938 18.066,14.938 18.399,14.605 v1(18.415,14.605)
  Bottom Layer w0.203: R27.1@12.688,7.366 12.688,7.474 12.962,7.747 v1(13.335,7.747)
FMU_USART3_RX: IC1.56 R25.1 | length 11.7
  Top Layer w0.203: v1(16.56,13.385) 16.947,12.997 IC1.56@16.947,11.754
  Mid Layer 1 w0.203: v1(11.353,12.573) 11.353,14.867 11.472,14.986 14.958,14.986 v1(16.56,13.385)
  Bottom Layer w0.203: R25.1@9.767,12.192 10.972,12.192 v1(11.353,12.573)
FMU_USART3_TX: IC1.55 R24.1 | length 13.1
  Top Layer w0.203: IC1.55@16.447,11.754 16.447,12.89 16.129,13.208 16.129,13.589 16.46,13.92 16.828,13.92 v1(16.857,13.949)
  Mid Layer 1 w0.203: v1(9.525,16.129) 9.534,16.129 10.296,15.367 15.494,15.367 16.161,14.7 16.161,14.645 v1(16.857,13.949)
  Bottom Layer w0.203: v1(9.525,16.129) 9.525,14.466 R24.1@9.767,14.224
FMU_USART4_RX: IC1.24 J9.3 | length 16.2
  Top Layer w0.203: IC1.24@14.947,26.854 14.947,28.409 v1(15.748,29.21)
  Mid Layer 2 w0.203: v1@7.483,30.832 7.015,30.364 7.015,29.329 7.134,29.21 v1(15.748,29.21)
  Bottom Layer w0.203: J9.3@4.851,31.782 4.883,31.75 6.085,31.75 6.993,30.842 v1(7.493,30.842)
FMU_USART4_TX: IC1.23 J9.2 | length 15.1
  Top Layer w0.203: IC1.23@15.447,26.854 15.447,28.274 v1(16.383,29.21)
  Mid Layer 2 w0.203: v1(7.511,30.244) 7.511,29.76 7.63,29.641 15.927,29.641 16.358,29.21 v1(16.383,29.21)
  Bottom Layer w0.203: J9.2@4.851,30.532 5.03,30.353 7.366,30.353 7.465,30.254 7.501,30.254 v1(7.511,30.244)
FMU_USART8_RX: IC1.97 IC10.3 | length 8.4
  Top Layer w0.203: v1(25.908,24.003) 25.937,23.974 26.322,23.974 26.492,23.804 IC1.97@27.997,23.804
  Mid Layer 1 w0.203: v1(25.908,24.003) v1(25.908,24.003) 26.542,24.002 27.411,24.871 27.411,27.707 v1(27.054,28.064)
  Bottom Layer w0.203: v1(27.054,28.064) 27.058,28.067 28.114,28.067 IC10.3@28.118,28.071
FMU_USART8_TX: IC1.98 IC10.2 | length 7.7
  Top Layer w0.203: v1(26.289,24.511) 26.33,24.511 26.537,24.304 IC1.98@27.997,24.304
  Mid Layer 1 w0.203: v1(26.289,24.511) 26.289,24.531 26.924,25.166 26.924,27.587 26.625,27.886 ; v1(26.464,28.082) 26.464,28.046 26.625,27.886
  Bottom Layer w0.203: v1(26.464,28.082) 26.958,28.575 28.114,28.575 IC10.2@28.118,28.571
FMU_VBAT: C16.1 D1.1 IC1.6 | length 13.6
  Top Layer w0.203: IC1.6@23.947,26.854 23.947,27.884 24.774,28.711 25.155,28.711 26.289,29.845 v1(26.289,30.226) ; v1(32.512,27.686) 32.541,27.657 32.885,27.657 D1.1@32.983,27.559
  Mid Layer 2 w0.203: v1(26.289,30.226) 27.559,31.496 28.964,31.496 29.083,31.377 32.505,27.955 32.505,27.693 v1(32.512,27.686)
FMU_VDD_3V3: C5.1 C6.1 C15.1 C35.1 IC2.2 IC3.3 IC3.7 IC3.8 IC8.5 IC9.5 IC10.8 J1.1 J4.4 J13.3 LED2.4 R3.2 R4.1 R32.1 R33.1 U2.5 | length 152.3
  Top Layer w0.203: LED2.4@1.695,23.204 1.695,23.304 1.919,23.527 3.961,23.527 6.35,25.917 v1(6.35,26.67) ; v1(8.001,33.528) 8.015,33.528 8.396,33.909 10.409,33.909 11.287,33.031 IC9.5@11.287,32.527 ; R4.1@30.099,29.172 30.367,29.44 R3.2@30.367,31.508 ; R3.2@30.353,31.508 R3.2@30.478,31.508 ; v1(31.228,30.808) 31.178,30.808 R3.2@30.478,31.508 ; U2.5@32.101,31.435 32.028,31.508 R3.2@30.478,31.508 ; v1(34.163,8.636) 34.173,8.646 34.263,8.646 34.712,9.095 IC8.5@34.712,9.345 ; v8(36.322,37.846) 36.9,38.424 36.9,38.86 37.283,39.243 C6.1@37.302,39.243 37.526,39.467 IC2.2@37.526,41.341
  Mid Layer 1 w0.203: v1@31.242,30.808 31.242,32.766 v8(36.322,37.846)
  Mid Layer 2 w0.203: v1(6.35,26.67) 6.35,26.711 6.223,26.838 6.223,31.75 v1(8.001,33.528) 9.204,34.731 12.221,34.731 12.695,35.205 14.452,35.205 18.415,31.242 18.415,30.226 18.641,30 18.641,29.022 18.76,28.903 24.646,28.903 24.765,29.022 v1@24.765,29.577 ; v7(11.684,3.556) 12.192,3.048 v1(13.97,3.048) ; v1(29.718,18.034) 29.718,17.314 29.416,17.011 29.416,13.002 29.957,12.461 30.211,12.461 v1(30.734,11.938)
  Bottom Layer w0.203: v1(6.35,26.67) 6.35,27.345 6.805,27.799 7.871,27.799 8.745,28.673 8.795,28.673 9.144,29.022 R32.1@9.144,29.072 ; v1(8.001,33.528) 8.535,34.062 8.795,34.062 9.144,34.411 9.144,34.478 8.128,35.494 8.128,40.335 8.494,40.701 10.847,40.701 11.398,40.149 J13.3@11.398,39.599 ; IC3.8@10.128,5.29 IC3.7@10.128,4.02 11.22,4.02 v7(11.684,3.556) ; v1(13.97,3.048) 14.268,2.75 IC3.3@15.578,2.75 ; C5.1@17.653,3.266 22.062,3.266 v1(30.734,11.938) ; IC10.8@24.968,29.071 24.813,29.071 24.765,29.119 v1(24.765,29.591) 24.765,29.845 25.019,30.099 25.654,30.099 26.035,29.718 27.305,29.718 28.067,30.48 v1(28.575,30.48) 29.058,30.48 29.354,30.184 29.354,26.362 31.111,24.605 31.111,23.052 30.873,22.815 29.743,22.815 29.595,22.668 29.595,21.699 28.289,20.393 28.289,19.463 v1(29.718,18.034) ; C35.1@27.269,17.399 27.269,16.344 27.663,15.949 27.663,14.977 J4.4@27.962,14.678 28.223,14.417 J4.4@28.223,14.117 ; J4.4@28.194,14.117 28.194,13.769 28.395,13.568 29.104,13.568 v1(30.734,11.938) ; J1.1@39.37,13.335 38.227,13.335 37.338,12.446 37.338,10.922 35.052,8.636 v1(34.163,8.636) 33.655,8.636 33.274,9.017 33.274,11.43 32.766,11.938 v1(30.734,11.938)
  Bottom Layer w0.254: IC3.3@15.578,2.75 16.029,2.75 16.544,3.266 C5.1@17.653,3.266
FRAM_CS: IC1.57 IC3.1 | length 8.1
  Top Layer w0.203: IC1.57@17.447,11.754 17.447,6.937 17.526,6.858 v2(17.526,5.842)
  Bottom Layer w0.203: IC3.1@15.578,5.29 16.974,5.29 v2(17.526,5.842)
FRAM_MISO: IC1.53 IC3.2 IC6.6 | length 21.9
  Top Layer w0.203: v2(14.079,7.622) 14.136,7.566 14.583,7.566 14.783,7.366 14.986,7.366 15.447,7.827 IC1.53@15.447,11.754
  Mid Layer 1 w0.203: v2(7.239,10.795) 12.787,10.795 12.906,10.676 12.906,7.414 13.073,7.247 13.67,7.247 14.045,7.622 v2(14.079,7.622)
  Bottom Layer w0.203: IC6.6@5.926,11.039 5.936,11.049 6.944,11.049 7.198,10.795 v2(7.239,10.795) ; v2(14.079,7.622) 14.079,7.062 14.351,6.79 14.351,4.797 15.128,4.02 IC3.2@15.578,4.02
FRAM_MOSI: IC1.54 IC3.5 IC6.7 | length 23.2
  Top Layer w0.203: v2(13.716,6.716) 13.725,6.725 14.198,6.725 14.3,6.623 14.751,6.623 15.947,7.819 IC1.54@15.947,11.754
  Bottom Layer w0.203: IC6.7@5.926,9.789 6.165,9.789 6.363,9.591 6.363,9.352 7.338,8.377 7.338,7.14 8.382,6.096 12.712,6.096 ; IC3.5@10.128,1.48 10.579,1.48 12.712,3.613 12.712,6.096 ; v2(13.716,6.716) 13.687,6.687 13.687,6.448 13.335,6.096 12.712,6.096
FRAM_SCK: IC1.47 IC3.6 IC6.8 | length 22.6
  Top Layer w0.203: v2(11.43,16.129) 11.43,15.367 11.974,14.823 12.878,14.823 IC1.47@12.897,14.804
  Mid Layer 2 w0.203: v2(6.731,7.493) 8.509,7.493 12.065,11.049 12.065,15.748 11.713,16.1 11.459,16.1 v2(11.43,16.129)
  Bottom Layer w0.203: IC6.8@5.926,8.539 6.176,8.539 6.375,8.341 6.375,7.921 v2@6.731,7.564 ; v2(6.731,7.493) 6.731,5.697 9.678,2.75 IC3.6@10.128,2.75
FrSky_IN: J14.3 R23.1 | length 3.2
  Top Layer w0.203: R23.1@9.96,36.51 10.043,36.594 J14.3@10.043,39.678
FrSky_INV: IC1.69 IC10.1 IC10.5 | length 50.1
  Top Layer w0.203: v1(22.939,9.567) 22.939,9.858 23.114,10.034 23.114,10.523 23.428,10.838 23.428,11.735 IC1.69@23.447,11.754
  Mid Layer 2 w0.203: v1(22.939,9.567) 22.968,9.538 22.968,9.163 23.572,8.56 33.479,8.56 34.163,9.243 38.834,9.243 39.243,9.652 39.243,15.24 36.561,17.922 36.561,18.064 36.34,18.286 36.197,18.286 33.782,20.701 33.782,25.273 29.21,29.845 v1(28.575,29.845)
  Bottom Layer w0.203: IC10.5@24.968,27.571 25.666,27.571 25.908,27.813 25.908,28.511 26.468,29.071 IC10.1@28.118,29.071 28.118,29.525 28.408,29.816 28.546,29.816 v1(28.575,29.845)
FrSky_OUT: J14.2 R22.1 | length 3.5
  Top Layer w0.203: J14.2@11.293,39.678 11.293,37.448 12.192,36.549 R22.1@12.192,36.5
GND: C1.1 C2.1 C3.2 C4.1 C5.2 C6.2 C7.1 C8.1 C9.1 C10.1 C11.1 C12.1 C13.1 C14.1 C15.2 C16.2 C17.1 C18.1 C19.1 C22.1 C23.1 C24.2 C25.2 C27.2 C28.1 C29.2 C32.1 C33.2 C34.2 C35.2 C36.1 C37.2 C38.2 C39.3 C39.4 C40.2 C41.2 C42.2 C43.2 C44.2 C45.2 C46.1 C47.1 C48.1 D3.2 IC1.10 IC1.20 IC1.27 IC1.74 IC1.99 IC2.3 IC3.4 IC5.7 IC5.8 IC5.9 IC5.10 IC5.11 IC5.12 IC5.13 IC5.15 IC6.2 IC6.3 IC8.2 IC8.8 IC8.9 IC9.3 IC10.4 IC11.2 J1.6 J2.5 J2.6 J2.7 J3.5 J3.6 J4.6 J4.G1 J4.G2 J4.G3 J5.4 J6.5 J7.6 J8.6 J9.6 J11.1 J11.2 J11.3 J11.4 J11.5 J11.6 J14.4 JP1.2 pad.1@3.175,41.275 pad.2@3.175,3.175 pad.3@41.275,41.275 pad.4@41.275,3.175 pad.6 pad.9 Q1.2 R1.2 R2.2 R3.1 R5.1 R10.2 R11.2 R13.2 R40.2 R43.2 R45.2 R46.2 R49.2 R53.2 RST.3 RST.4 U1.2 U2.2 U3.2 U3.3 U3.12 Y1.2 Y1.4 | length 43
  Top Layer w0.203: IC9.3@8.987,31.227 IC9.3@9.287,31.227 ; v1(16.764,28.067) 16.764,28.053 16.928,27.889 16.928,26.873 IC1.20@16.947,26.854 ; C4.1@17.567,33 17.928,32.639 Y1.4@20.398,32.639 ; Y1.2@22.098,31.239 24.711,31.239 C3.2@25.022,30.928 ; R3.1@30.344,32.702 30.641,32.406 33.253,32.406 ; JP1.2@31.623,37.403 33.991,37.403 35.831,39.243 C6.2@35.85,39.243 35.869,39.243 36.576,39.95 IC2.3@36.576,43.241 ; C16.2@34.671,29.673 34.671,28.567 34.552,28.448 32.565,28.448 C14.1@31.831,29.182 32.08,29.43 32.08,30.048 33.253,31.221 33.253,32.406 ; U2.2@34.701,32.385 34.68,32.406 33.253,32.406 ; IC8.2@36.012,12.245 36.086,12.318 36.086,12.799 36.37,13.084 C36.1@36.37,13.738
  Mid Layer 2 w0.203: 2.667,22.352 2.667,19.931 3.04,19.558 4.191,19.558 5.334,20.701 5.334,21.671
  Bottom Layer w0.203: C17.1@2.602,23.241 C17.1@2.667,23.176 ; C44.2@11.998,30.97 C44.2@12.076,30.892 ; J4.6@25.762,14.678 25.762,17.344 C35.2@25.817,17.399
  Bottom Layer w0.254: IC3.4@15.578,1.48 16.029,1.48 16.362,1.814 C5.2@17.653,1.814
  other v1: 13.589,26.035 28.194,26.035
  other v5: 19.558,21.844
ICM_42688_DRDY: IC1.62 pad.4@8.531,20.967 | length 18.7
  Top Layer w0.203: v1(19.891,13.992) 19.891,13.951 19.947,13.894 IC1.62@19.947,11.754
  Mid Layer 1 w0.203: v2(9.2,20.262) 9.184,20.246 9.184,19.708 8.721,19.244 8.721,18.309 10.325,16.705 14.709,16.705 17.224,14.19 17.224,14.173 17.653,13.744 19.642,13.744 v1(19.891,13.992)
  Bottom Layer w0.203: pad.4@8.531,20.967 8.554,20.943 8.796,20.943 8.915,20.825 8.915,20.547 v2(9.2,20.262)
  Bottom Layer w0.254: v2(9.2,20.262) v2@9.2,20.298
LED_SAFETY: IC1.18 R41.1 | length 10.4
  Top Layer w0.203: v1(16.891,29.464) 16.901,29.454 16.901,28.78 17.928,27.753 17.928,26.873 IC1.18@17.947,26.854
  Mid Layer 2 w0.203: v1(13.97,33.782) 13.97,32.131 15.362,30.739 15.616,30.739 v1(16.891,29.464)
  Bottom Layer w0.203: R41.1@13.208,35.099 13.222,35.099 13.588,34.733 13.588,34.164 v1(13.97,33.782)
MPU9250_CS: IC1.17 pad.12 | length 19.1
  Top Layer w0.203: v1(17.399,29.21) 18.447,28.162 IC1.17@18.447,26.854
  Mid Layer 1 w0.203: v2(8.255,24.384) 8.255,24.376 8.628,24.003 9.279,24.003 9.398,24.122 9.398,26.162 10.366,27.13 v1(10.366,28.321)
  Mid Layer 2 w0.203: v1(10.366,28.321) 16.411,28.321 16.586,28.496 16.942,28.496 17.112,28.326 17.28,28.326 17.399,28.445 v1(17.399,29.21)
  Bottom Layer w0.203: pad.12@6.866,22.632 6.889,22.655 6.889,23.018 v2(8.255,24.384)
MPU9250_MISO: IC1.31 IC5.4 pad.1@8.531,22.467 U3.9 | length 26.2
  Top Layer w0.203: IC1.31@12.897,22.804 16.161,22.804 16.297,22.668 16.297,22.518 16.51,22.305 v2(16.51,22.225)
  Mid Layer 2 w0.203: v2(9.71,22.661) 9.71,19.088 11.159,17.639 11.67,17.639 14.597,20.566 ; v2(14.478,19.939) 14.535,19.996 14.535,20.228 14.597,20.29 14.597,20.566 ; v2(16.51,22.225) 15.652,21.367 15.398,21.367 14.597,20.566
  Bottom Layer w0.203: pad.1@8.531,22.467 9.435,22.467 9.63,22.661 v2(9.71,22.661) ; v2(14.478,19.939) 14.478,19.361 14.851,18.989 15.547,18.989 15.894,18.641 18.701,18.641 18.919,18.423 U3.9@18.919,17.273 ; v2(16.51,22.225) 16.514,22.229 17.35,22.229 IC5.4@17.354,22.225
MPU9250_MOSI: IC1.32 IC5.3 pad.14 U3.11 | length 30
  Top Layer w0.203: IC1.32@12.897,22.304 14.447,22.304 14.467,22.324 15.223,22.324 15.449,22.098 v2(15.494,22.098) 15.437,22.041 15.213,22.041 15.143,21.971 14.733,21.971 14.352,21.59 v2(14.329,21.59)
  Mid Layer 2 w0.203: v2(15.24,19.939) 15.252,19.951 15.252,20.421 16.406,21.576 16.57,21.576 17.012,22.017 17.012,22.433 16.92,22.524 16.92,22.704 v1(16.891,22.733) 15.979,22.733 15.836,22.589 15.836,22.52 15.494,22.178 v2(15.494,22.098)
  Bottom Layer w0.203: pad.14@7.866,22.632 7.866,22.752 8.335,23.221 8.605,23.221 9.006,23.622 9.914,23.622 10.229,23.307 10.229,20.124 10.922,19.431 12.192,19.431 12.7,19.939 12.7,19.942 13.815,21.057 13.815,21.177 13.9,21.261 13.92,21.261 14.249,21.59 v2(14.329,21.59) ; v2(15.24,19.939) 15.269,19.91 15.269,19.531 15.458,19.342 15.693,19.342 16.04,18.994 18.847,18.994 20.047,17.794 20.454,17.794 20.749,17.498 20.749,17.143 20.367,16.76 U3.11@19.432,16.76 ; v1(16.891,22.733) IC5.3@17.354,22.733